# Altium PCB Copy of 211105 PCB.PcbDoc (part 1 of 3) (continued)
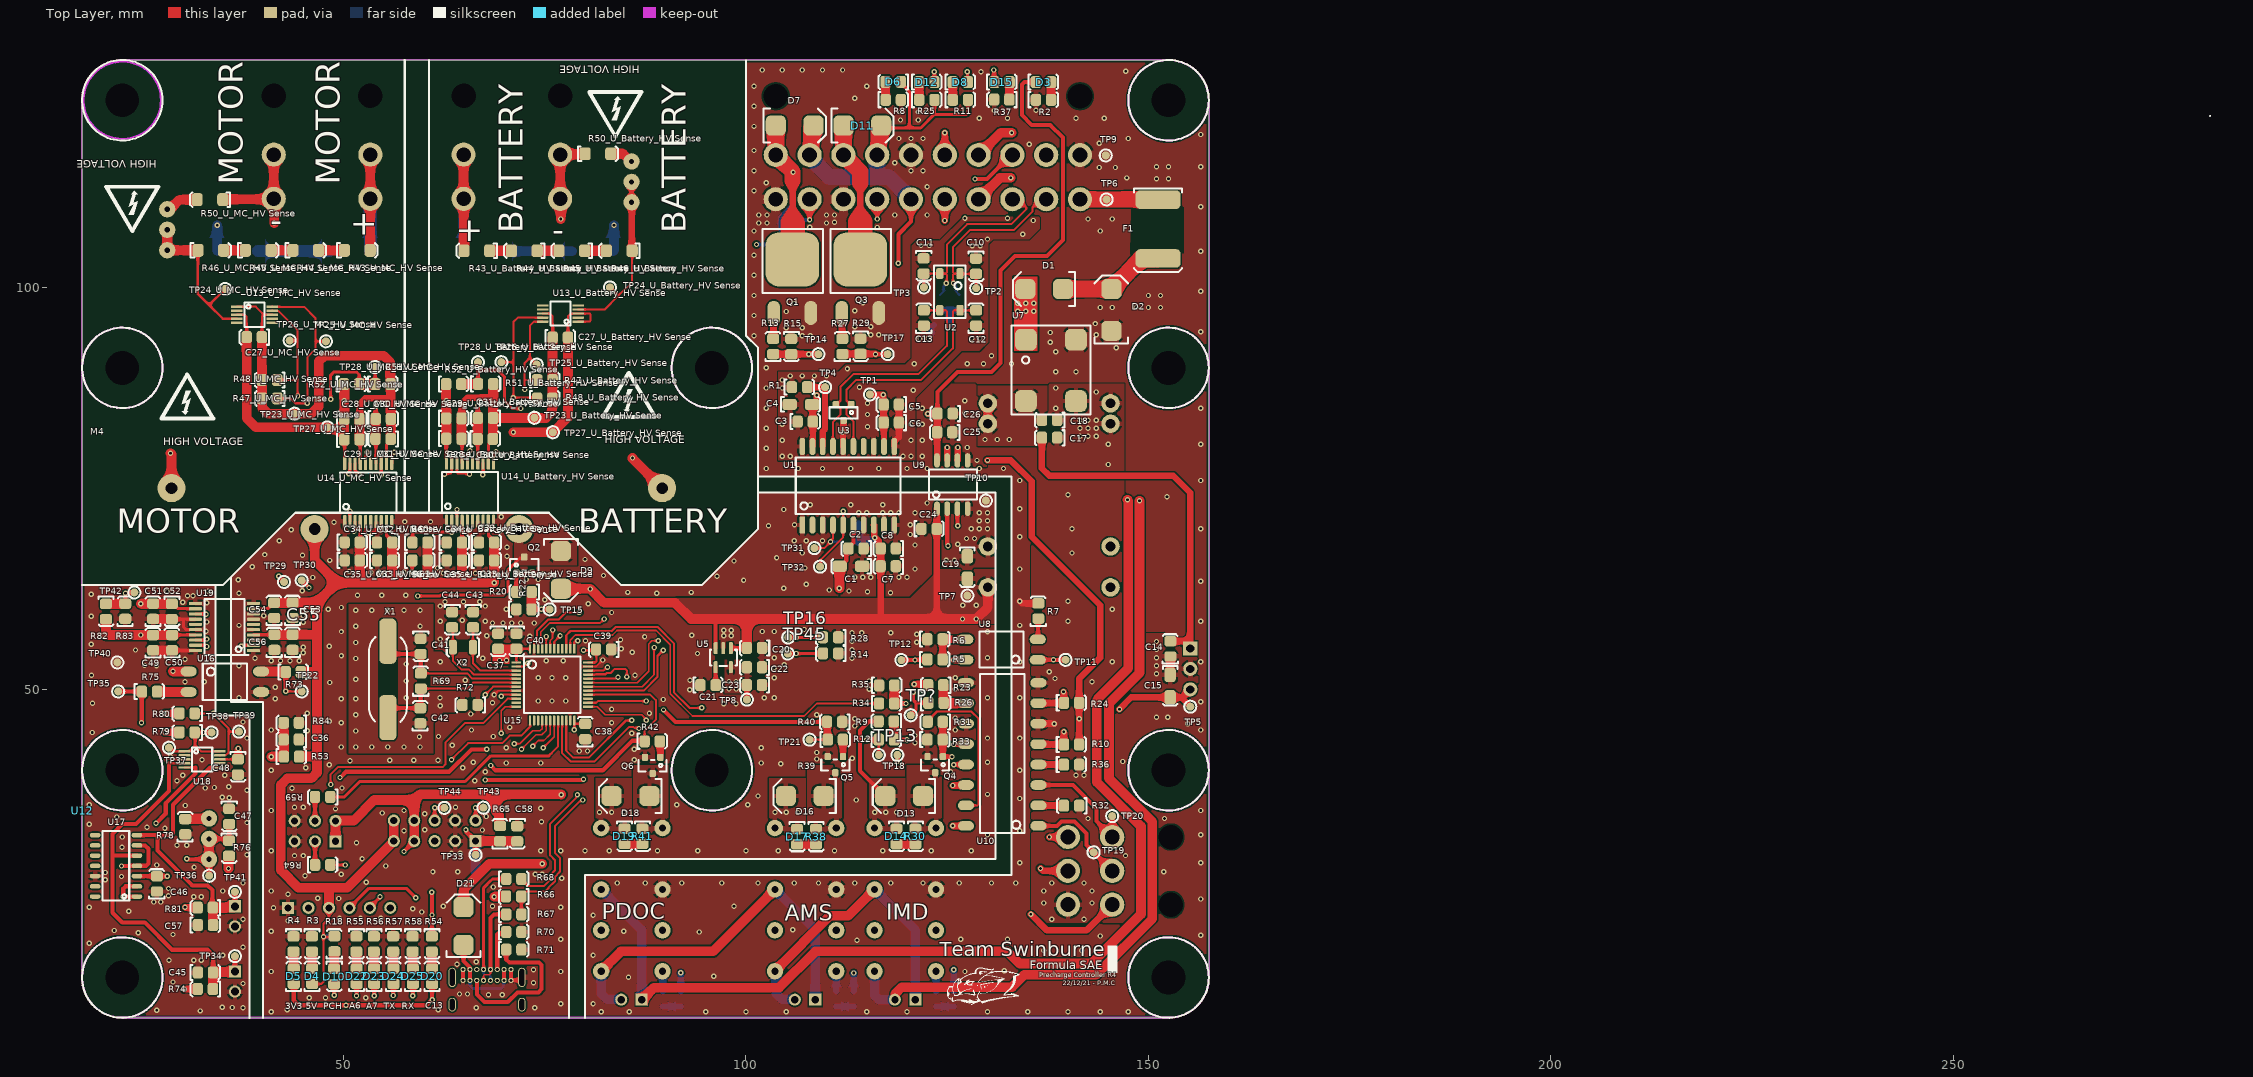
[diagram p0: Top Layer view]
## Components (designator, comment, footprint, x,y, rotation, side; value= is the part's Value field where it differs from the comment) (continued)
D22 "Yellow" "0805 LED" 51.597,14.412 r90 top
D23 "Orange" "0805 LED" 53.767,14.412 r90 top
D24 "Blue" "0805 LED" 56.173,14.424 r90 top
D25 "Blue" "0805 LED" 58.582,14.412 r90 top
D26 "Green" "0805 LED" 125.774,11.588 r270 bottom
D27 "Yellow" "0805 LED" 51.625,14.473 r90 bottom
D28 "Green" "0805 LED" 113.353,11.588 r270 bottom
D29 "Orange" "0805 LED" 53.805,14.473 r90 bottom
D30 "Green" "0805 LED" 91.85,11.588 r270 bottom
D31 "Blue" "0805 LED" 56.201,14.473 r90 bottom
D32 "Blue" "0805 LED" 58.601,14.473 r90 bottom
D33 "Red" "0805 LED" 61,14.473 r90 bottom
D34 "Orange" "0805 LED" 48.83,14.425 r270 bottom
F1 "0ZCF0100AF2A" 2920 151.2,110.9 r270 top
"HV BATTERY+1" "39300020" 39300020 64.907,116.5 r0 bottom locked
"HV BATTERY-1" "39300020" 39300020 76.907,116.5 r0 bottom locked
"HV MC+1" "39300020" 39300020 53.324,116.5 r0 bottom
"HV MC-1" "39300020" 39300020 41.324,116.5 r0 bottom locked
"IMD Bypass1" "2.54mm" "TH 2.54mm Header 1x2" 121.04,11.5 r180 bottom
K1 "V23105A5475A201" "TI 2-DIL" 119.79,23.926 r270 bottom
K2 "V23105A5475A201" "TI 2-DIL" 107.405,23.926 r270 bottom
K3 "V23105A5475A201" "TI 2-DIL" 85.812,23.926 r270 bottom
K4 "TS-1187A-C-D-B" "XKB SW-4.5" 64.55,24.4 r90 bottom
P1 "39300060" 39300060 145.5,23.3 r270 bottom
P2 "USB4085-GF-A" USB4085-GF-A 67.95,11.22 r180 bottom
"PDOC Bypass1" "2.54mm" "TH 2.54mm Header 1x2" 87.04,11.5 r180 bottom
"PDOC Sensor 1" "B2B-XH-A(LF)(SN)" "XH 2 PIN VERT" 36.627,13.75 r270 bottom
"PDOC Sensor 2" "B2B-XH-A(LF)(SN)" "XH 2 PIN VERT" 36.627,21.85 r270 bottom
"PRIMARY INTERFACE1" "39300200" 39300200 141.5,116.45 r0 bottom locked
Q1 "STD70N10F4" "STM TO-252 MOSFET" 108.05,96.825 r180 top
Q2 "2N7002K" "ON SOT-23 MOSFET" 72.45,65.5 r0 top
Q3 "STD70N10F4" "STM TO-252 MOSFET" 116.5,96.825 r180 top
Q4 "2N7002K" "ON SOT-23 MOSFET" 123.5,40.7 r180 top
Q5 "2N7002K" "ON SOT-23 MOSFET" 111.1,40.7 r180 top
Q6 "2N7002K" "ON SOT-23 MOSFET" 88.4,40.6 r180 top
R1 "0R" 0805 106.66,87.627 r0 top
R2 "2k" 0805 136.977,123.329 r0 top
R3 "2k" 0805 46.096,18.4 r270 top
R4 "1.5k" 0805 43.802,18.4 r270 top
R5 "680R" 0805 123.484,53.792 r0 top
R6 "20k" 0805 123.494,56.305 r0 top
R7 "1.5k" 0805 136.3,59.8 r90 top
R8 "1.5k" 0805 118.318,123.329 r0 top
R9 "20k" 0805 117.414,46.053 r180 top
R10 "1.5k" 0805 140.462,43.226 r0 top
R11 "1.5k" 0805 126.647,123.329 r0 top
R12 "680R" 0805 117.462,43.826 r0 top
R13 "10R" 0805 103.35,92.675 r90 top
R14 "20k" 0805 110.5,54.5 r180 top
R15 "20k" 0805 105.65,92.627 r270 top
R16 "1k" "B TO-263" 50.75,94.3 r0 bottom locked
R17 "1k" "B TO-263" 36.8,94.3 r0 bottom locked
R18 "1.5k" 0805 48.828,18.448 r90 top
R19 "1k" "B TO-263" 80.95,94.3 r0 bottom locked
R20 "10R" 0805 72.412,62.126 r180 top
R21 "1k" "B TO-263" 67.45,94.3 r0 bottom locked
R22 "20k" 0805 72.412,60.026 r0 top
R23 "20k" 0805 123.564,50.55 r180 top
R24 "1.5k" 0805 140.462,48.4 r0 top
R25 "1.5k" 0805 122.483,123.329 r0 top
R26 "680R" 0805 123.612,48.401 r0 top
R27 "10R" 0805 111.95,92.675 r90 top
R28 "20k" 0805 110.5,56.5 r180 top
R29 "20k" 0805 114.25,92.675 r270 top
R30 "680R" 0805 121.074,31.762 r270 top
R31 "680R" 0805 123.5,46 r180 top
R32 "1.5k" 0805 140.438,35.574 r180 top
R33 "20k" 0805 123.5,43.826 r0 top
R34 "680R" 0805 117.487,48.323 r0 top
R35 "20k" 0805 117.5,50.571 r0 top
R36 "1.5k" 0805 140.462,40.726 r0 top
R37 "1.5k" 0805 131.764,123.308 r180 top
R38 "680R" 0805 108.726,31.738 r270 top
R39 "10R" 0805 111.112,43.826 r0 top
R40 "20k" 0805 111,46 r180 top
R41 "680R" 0805 87.151,31.788 r270 top
R42 "10R" 0805 88.362,43.626 r0 top
"R43_U_Battery_HV Sense" "330K" "VB 0204" 66.553,104.55 r180 top locked (schematic designator R43)
"R43_U_MC_HV Sense" "330K" "VB 0204" 51.7,104.6 r0 top locked (schematic designator R43)
"R44_U_Battery_HV Sense" "330K" "VB 0204" 72.453,104.55 r180 top locked (schematic designator R44)
"R44_U_MC_HV Sense" "330K" "VB 0204" 45.3,104.6 r0 top locked (schematic designator R44)
"R45_U_Battery_HV Sense" "330K" "VB 0204" 78.353,104.55 r180 top locked (schematic designator R45)
"R45_U_MC_HV Sense" "330K" "VB 0204" 39.4,104.6 r0 top locked (schematic designator R45)
"R46_U_Battery_HV Sense" "330K" "VB 0204" 84.253,104.55 r180 top locked (schematic designator R46)
"R46_U_MC_HV Sense" "330K" "VB 0204" 33.5,104.6 r0 top locked (schematic designator R46)
"R47_U_Battery_HV Sense" "5.6k" 0805 75.024,88.497 r0 top (schematic designator R47)
"R47_U_MC_HV Sense" "5.6k" 0805 40.8,86.192 r180 top (schematic designator R47)
"R48_U_Battery_HV Sense" "5.6k" 0805 75.013,86.213 r0 top (schematic designator R48)
"R48_U_MC_HV Sense" "5.6k" 0805 40.788,88.476 r180 top (schematic designator R48)
"R49_U_Battery_HV Sense" "10K (Var)" "B 3296" 85.229,113.024 r270 bottom (schematic designator R49)
"R49_U_MC_HV Sense" "10K (Var)" "B 3296" 27.541,107.074 r270 bottom (schematic designator R49)
"R50_U_Battery_HV Sense" "10K" "VB 0204" 81.6,116.6 r0 top (schematic designator R50)
"R50_U_MC_HV Sense" "10K" "VB 0204" 33.4,110.9 r180 top (schematic designator R50)
"R51_U_Battery_HV Sense" "30k" 0805 67.662,88.026 r0 top (schematic designator R51)
"R51_U_MC_HV Sense" "30k" 0805 54.9,88 r0 top (schematic designator R51)
"R52_U_Battery_HV Sense" "10k" 0805 63.7,88 r0 top (schematic designator R52)
"R52_U_MC_HV Sense" "10k" 0805 51,88 r0 top (schematic designator R52)
R53 "10k" 0805 43.536,41.724 r0 top
R54 "510R" 0805 60.995,18.4 r270 top
R55 "680R" 0805 51.618,18.4 r270 top
R56 "680R" 0805 53.788,18.4 r270 top
R57 "680R" 0805 56.194,18.412 r270 top
R58 "680R" 0805 58.603,18.4 r270 top
R59 "10k" 0805 47.388,36.663 r180 top
R60 "3.3k" 0805 59.5,68.326 r0 top
R61 "3.3k" 0805 59.5,66.101 r0 top
R62 "3.3k" 0805 113.05,68.329 r0 bottom
R63 "3.3k" 0805 113.05,70.5 r0 bottom
R64 "10k" 0805 47.413,28.275 r0 top
R65 "10k" 0805 69.42,32.148 r90 top
R66 "1.5k" 0805 71.117,24.299 r180 top
R67 "20R" 0805 71.166,22.126 r0 top
R68 "20R" 0805 71.166,26.515 r0 top
R69 "10M" 0805 59.574,51.112 r90 top
R70 "5.1k" 0805 71.166,19.931 r0 top
R71 "5.1k" 0805 71.166,17.736 r0 top
R72 "0R" 0805 65.7,48.1 r180 top
R73 "3k" 0805 43.762,52.226 r0 top
R74 "2k" 0805 32.8,12.8 r180 top
R75 "680R" 0805 25.9,49.8 r0 top
R76 "10k" 0805 35.789,30.296 r270 top
R77 "10K (Var)" "B 3296" 33.84,31.565 r90 bottom
R78 "10k" 0805 30.3,33 r90 top
R79 "5.6k" 0805 30.538,44.679 r180 top
R80 "5.6k" 0805 30.538,47.044 r180 top
R81 "2k" 0805 32.8,22.9 r180 top
R82 "30k" 0805 20.5,59.714 r270 top
R83 "10k" 0805 22.844,59.762 r90 top
R84 "10K (NTC) (B25/85 3430K)" 0805 43.488,45.874 r180 top
R85 "0R" 0805 104.199,106.238 r270 bottom
R86 "0R" 0805 106.399,106.238 r270 bottom
R87 "680R" 0805 123.6,11.588 r270 bottom
R88 "510R" 0805 60.979,18.398 r270 bottom
R89 "680R" 0805 111.199,11.588 r270 bottom
R90 "680R" 0805 51.604,18.398 r270 bottom
R91 "680R" 0805 89.649,11.588 r270 bottom
R92 "680R" 0805 53.784,18.398 r270 bottom
R93 "680R" 0805 56.18,18.423 r270 bottom
R94 "680R" 0805 58.58,18.398 r270 bottom
R95 "1.5k" 0805 48.851,18.446 r90 bottom
SERIAL1 "2.54mm" "TH 2.54mm Header 1x6" 43.1,22.9 r0 bottom
STLINK1 "2.54mm" "TH 2.54mm Header 2x5" 66.4,31.21 r180 bottom
TP1 "5V (CAN)" "SMD Test Point 1mm" 115.4,86.7 r0 top
TP2 "CANL" "SMD Test Point 1mm" 128.6,99.9 r90 top
TP3 "CANH" "SMD Test Point 1mm" 122.1,100 r90 top
TP4 "RS" "SMD Test Point 1mm" 109.825,87.6 r90 top
TP5 "5V" "SMD Test Point 1mm" 155.2,47.9 r90 top
TP6 "GLV+" "SMD Test Point 1mm" 144.8,110.925 r90 top
TP7 "5V (ISO)" "SMD Test Point 1mm" 127.5,61.7 r90 top
TP8 "3.3V (ISO)" "SMD Test Point 1mm" 100.115,48.775 r90 top
TP9 "GLV-" "SMD Test Point 1mm" 144.7,116.4 r90 top
TP10 "0V (ISO)" "SMD Test Point 1mm" 129.8,73.5 r90 top
TP11 "AIR Power" "SMD Test Point 1mm" 139.7,53.725 r90 top
TP12 "AIR Power (ISO)" "SMD Test Point 1mm" 119.3,53.7 r90 top
TP13 "AIR- Feedback (ISO)" "SMD Test Point 1mm" 116.5,41.9 r90 top
TP14 "AIR- Gate" "SMD Test Point 1mm" 109,91.7 r90 top
TP15 "Precharge Gate" "SMD Test Point 1mm" 75.6,60 r90 top
TP16 "AIR+" "SMD Test Point 1mm" 105.25,56.5 r90 top
TP17 "AIR+ Gate" "SMD Test Point 1mm" 117.6,91.7 r90 top
TP18 "IMD OK (ISO)" "SMD Test Point 1mm" 118.8,41.9 r90 top
TP19 "IMD Ok" "SMD Test Point 1mm" 143.188,29.812 r90 top
TP20 "IMD Data" "SMD Test Point 1mm" 145.5,34.3 r90 top
TP21 "AMS OK (ISO)" "SMD Test Point 1mm" 107.9,43.8 r90 top
TP22 "PDOC OK (ISO)" "SMD Test Point 1mm" 44.8,49.8 r90 top
"TP23_U_Battery_HV Sense" "VDD" "SMD Test Point 1mm" 73.7,83.8 r90 top (schematic designator TP23)
"TP23_U_MC_HV Sense" "VDD" "SMD Test Point 1mm" 43.9,84.3 r0 top (schematic designator TP23)
"TP24_U_Battery_HV Sense" "Measure" "SMD Test Point 1mm" 83.1,100 r90 top (schematic designator TP24)
"TP24_U_MC_HV Sense" "Measure" "SMD Test Point 1mm" 35.3,99.8 r0 top (schematic designator TP24)
"TP25_U_Battery_HV Sense" "SCL" "SMD Test Point 1mm" 74,90.4 r90 top (schematic designator TP25)
"TP25_U_MC_HV Sense" "SCL" "SMD Test Point 1mm" 47.8,93.3 r0 top (schematic designator TP25)
"TP26_U_Battery_HV Sense" "SDA" "SMD Test Point 1mm" 69.6,90.7 r90 top (schematic designator TP26)
"TP26_U_MC_HV Sense" "SDA" "SMD Test Point 1mm" 43.3,93.4 r0 top (schematic designator TP26)
"TP27_U_Battery_HV Sense" "GND" "SMD Test Point 1mm" 76,82 r90 top (schematic designator TP27)
"TP27_U_MC_HV Sense" "GND" "SMD Test Point 1mm" 48,82.6 r0 top (schematic designator TP27)
"TP28_U_Battery_HV Sense" "VSEL" "SMD Test Point 1mm" 66.7,90.7 r90 top (schematic designator TP28)
"TP28_U_MC_HV Sense" "VSEL" "SMD Test Point 1mm" 53.9,90.1 r0 top (schematic designator TP28)
TP29 "SCL" "SMD Test Point 1mm" 42.6,63.4 r90 top
TP30 "SDA" "SMD Test Point 1mm" 44.8,63.6 r90 top
TP31 "CAN1 RD" "SMD Test Point 1mm" 108.5,67.6 r90 top
TP32 "CAN1 TD" "SMD Test Point 1mm" 109.2,65.3 r90 top
TP33 "nRST" "SMD Test Point 1mm" 66.4,29.5 r90 top
TP34 "PDOC Temperature Amp Measure 1" "SMD Test Point 1mm" 36.5,16.9 r90 top
TP35 "PDOC OK" "SMD Test Point 1mm" 22,49.8 r90 top
TP36 "PDOC Temperature Ref" "SMD Test Point 1mm" 33.3,26.9 r90 top
TP37 "ADDR" "SMD Test Point 1mm" 28.3,42.8 r180 top
TP38 "SCL" "SMD Test Point 1mm" 33.6,44.7 r180 top
TP39 "SDA" "SMD Test Point 1mm" 37,44.8 r90 top
TP40 "GND" "SMD Test Point 1mm" 21.9,53.4 r90 top
TP41 "PDOC Temperature Amp Measure 2" "SMD Test Point 1mm" 36.5,24.9 r90 top
TP42 "VSEL" "SMD Test Point 1mm" 24,62.1 r90 top
TP43 "0mm" "SMD Test Point 1mm" 67.375,35.35 r90 top
TP44 "0mm" "SMD Test Point 1mm" 62.518,35.332 r90 top
TP45 "AIR-" "SMD Test Point 1mm" 105.2,54.5 r90 top
TP? "AIR+ Feedback (ISO)" "SMD Test Point 1mm" 120.468,46.837 r90 top
U1 "ADM3053" "AD SOIC-W 20" 112.709,75.352 r0 top
U2 "B82787C0104H002" "TDK 4-PC Pad" 126.576,101.709 r270 top value="100µH @ 100kHz"
U3 "NUP2105L" "ON SOT-23" 112.122,84.453 r180 top
U4 "R-78C5.0-1.0" "RECOM 3-SIP" 155.2,55.14 r270 bottom
U5 "RT9193-33GB" "RICHTEK SOT-23-5" 97.128,54.174 r180 top
U6 "JTC0424S05" "24-DIP Module, 7 Leads" 137.67,74.16 r270 bottom locked
U7 "744272121" "Wurth 4-PC Pad" 141,85.88 r90 top value="120uH @ 100kHz"
U8 "LTV-817S-TA1" "ON 4-SMD" 131.5,55 r180 top
U9 "ADUM3221ARZ" "AD 8-SOIC" 125.635,75.5 r0 top
U10 "LTV-847S-TA1" "ON 16-SMD" 131.58,41.983 r90 top
U11 "3350-1275-056" "CI SPST" 59.1,69.975 r180 bottom locked
U12 "BENDER IMD IR155" "BENDER IMD IR155" 17.5,35 r0 top locked
"U13_U_Battery_HV Sense" "ADS1115" "TI 10-VSSOP" 76.938,96.75 r180 top (schematic designator U13)
"U13_U_MC_HV Sense" "ADS1115" "TI 10-VSSOP" 38.938,96.6 r0 top (schematic designator U13)
"U14_U_Battery_HV Sense" "ADM3260" "AD 20-SSOP" 65.708,74.556 r0 top (schematic designator U14)
"U14_U_MC_HV Sense" "ADM3260" "AD 20-SSOP" 53.057,74.5 r0 top (schematic designator U14)
U15 "STM32F103C8T6" "STM 48-LQFP" 75.916,50.641 r270 top
U16 "LTV-817S-TA1" "ON 4-SMD" 35.5,51 r0 top
U17 "LMV339IDR" "TI 14-SOIC" 26.925,43.365 r90 top
U18 "ADS1115" "TI 10-VSSOP" 32.432,41.35 r0 top
U19 "ADM3260" "AD 20-SSOP" 35.2,57.8 r90 top
X1 "16MHz" "Abracon HC-49/US" 55.505,51.283 r90 top
X2 "32.768kHz" "EPSON 2-SMD" 64.819,55.288 r0 top

## Footprints (in the part's own frame and the unit in brackets; to place one, negate y for a bottom-side part, rotate by r counter-clockwise, add the part's x,y. Pads: shape width x height; smd on the part's side, far side on the other; paste and mask are expansions set on the pad)
"24-DIP Module, 7 Leads" [mm]
  round 2.3 hole 1.2: 2(-11.43,-7.62) 3(-8.89,-7.62) 9(6.35,-7.62) 11(11.43,-7.62) 14(11.43,7.62) 16(6.35,7.62) 22(-8.89,7.62) 23(-11.43,7.62)
  silkscreen extent -15.88,-10.16 15.88,10.16, body extent -15.88,-10.16 15.87,10.16, height 10.41
0805 [mm]
  rrect50% 1.3x1.5 smd: 1(-0.962,-0.026) 2(0.938,-0.026)
  silkscreen extent -1.85,-0.95 1.8,0.93, body extent -1,-0.65 1,0.66, height 0.73
"0805 LED" [mm]
  rrect50% 1.3x1.5 smd: A(-0.962,-0.026) K(0.938,-0.026)
  silkscreen extent -1.85,-0.95 1.8,0.93, body extent -1.1,-0.62 0.9,0.62, height 1
1206 [mm]
  rrect50% 1.8x1.4 smd: 1(-2.6,0) 2(0.2,0)
  silkscreen extent -3.7,-0.9 1.2,0.9, body extent -2.9,-0.9 0.5,0.9, height 1.85
2920 [mm]
  rrect50% 2.3x5.6 smd: 1(0,0) 2(7.3,0)
  silkscreen extent -1.4,-3 9,3, body extent -0.34,-2.81 7.64,2.81, height 1.14
39300020 [mm]
  round 3 hole 1.8: 1(0,0) 2(0,5.5)
  round 1.524 hole 3.05: ""(0,-7.3)
  body extent -2.7,-13.97 3.1,5.97, height 11.4
39300060 [mm]
  round 3 hole 1.85: 1(0,0) 2(0,5.5) 3(-4.2,0) 4(-4.2,5.5) 5(-8.4,0) 6(-8.4,5.5)
  round 1.524 hole 3.05: ""(-8.4,-7.3) ""(0,-7.3)
  body extent -11.1,-13.87 3.1,6.07, height 11.4
39300200 [mm]
  round 3 hole 1.85: 1(0,0) 2(0,5.5) 3(-4.2,0) 4(-4.2,5.5) 5(-8.4,0) 6(-8.4,5.5) 7(-12.6,0) 8(-12.6,5.5) 9(-16.8,0) 10(-16.8,5.5) 11(-21,0) 12(-21,5.5) 13(-25.2,0) 14(-25.2,5.5) 15(-29.4,0) 16(-29.4,5.5) 17(-33.6,0) 18(-33.6,5.5) 19(-37.8,0) 20(-37.8,5.5)
  round 1.524 hole 3.05: ""(-37.8,-7.3) ""(0,-7.3)
  body extent -40.5,-13.9 3.1,6.03, height 11.4
"Abracon HC-49/US" [mm]
  rrect50% 5.6x2.1 smd: 1(-4.75,0) 2(4.75,0)
  silkscreen extent -5.27,-2.35 5.25,2.35, body extent -6.35,-2.35 6.35,2.35, height 4.06
"AD 8-SOIC" [mm]
  oval 0.7x1.8 smd: 1(-1.905,-3) 2(-0.635,-3) 3(0.635,-3) 4(1.905,-3) 5(1.905,3) 6(0.635,3) 7(-0.635,3) 8(-1.905,3)
  silkscreen extent -2.87,-1.88 3.05,1.85, body extent -2.5,-3.1 2.5,3.1, height 1.76
"AD 20-SSOP" [mm]
  rrect50% 0.4x1.6 smd: 1(-2.925,-3.6) 2(-2.275,-3.6) 3(-1.625,-3.6) 4(-0.975,-3.6) 5(-0.325,-3.6) 6(0.325,-3.6) 7(0.975,-3.6) 8(1.625,-3.6) 9(2.275,-3.6) 10(2.925,-3.6) 11(2.925,3.6) 12(2.275,3.6) 13(1.625,3.6) 14(0.975,3.6) 15(0.325,3.6) 16(-0.325,3.6) 17(-0.975,3.6) 18(-1.625,3.6) 19(-2.275,3.6) 20(-2.925,3.6)
  silkscreen extent -3.5,-2.5 3.5,2.5, body extent -3.64,-3.9 3.56,3.9, height 1.2
"AD SOIC-W 20" [mil]
  rrect50% 28x85 smd: 1(-225,-192.02)
  oval 28x85 smd: 2(-175,-192.02) 3(-125,-192.02) 4(-75,-192.02) 5(-25,-192.02) 6(25,-192.02) 7(75,-192.02) 8(125,-192.02) 9(175,-192.02) 10(225,-192.02) 11(225,192.02) 12(175,191.98) 13(125,191.98) 14(75,191.98) 15(25,191.98) 16(-25,191.98) 17(-75,191.98) 18(-125,191.98) 19(-175,191.98) 20(-225,191.98)
  silkscreen extent -257,-138 256,138, body extent -260,-210 260,210, height 105
"B 3296" [mil]
  round 80 hole 25.2: 1(-103.39,-22) 2(-3.39,-22) 3(96.61,-22)
  silkscreen extent -193,-97 187,143, body extent -191,-97 184,143, height 455
"B TO-263" [mm]
  rrect50% 2x3.8 smd: 1(-2.55,-10.2) 2(2.55,-10.2)
  rrect50% 12.7x11.4 smd: ""(0,0)
  silkscreen extent -6.8,-10.56 6.75,6.1, body extent -5.19,-11.02 5.45,4.83, height 4.8
"BENDER IMD IR155" [mm]
  body extent 0,0 141.1,60
"CI SPST" [mm]
  round 3.5 hole 1.45: 1(30.48,5.08) 2(12.7,0) 3(-12.7,0) 4(-30.48,5.08)
  silkscreen extent -38.73,-8.26 38.73,13.97, body extent -38.1,-4.45 38.1,13.34, height 20.57
"EPSON 2-SMD" [mm]
  rrect50% 1x1.8 smd: 1(-1.25,0) 2(1.25,0)
  silkscreen extent -2,-1.2 2,1.2, body extent -1.5,-1 1.5,1, height 1
"ON 4-SMD" [mm] "SOP, 4-Leads, Body 3.85x4.4mm, Pitch 2.54mm, IPC Medium Density"
  oval 2x1.2 smd: 1(-4.75,1.27) 2(-4.75,-1.27) 3(4.25,-1.27) 4(4.25,1.27)
  silkscreen extent -3,-2.25 2.5,2.25, body extent -5.33,-2.3 4.83,2.3, height 4.6
"ON 16-SMD" [mm]
  oval 1.2x2 smd: 1(-8.89,-4.75) 2(-6.35,-4.75) 3(-3.81,-4.75) 4(-1.27,-4.75) 5(1.27,-4.75) 6(3.81,-4.75) 7(6.35,-4.75) 8(8.89,-4.75) 9(8.89,4.25) 10(6.35,4.25) 11(3.81,4.25) 12(1.27,4.25) 13(-1.27,4.25) 14(-3.81,4.25) 15(-6.35,4.25) 16(-8.89,4.25)
  silkscreen extent -9.75,-3 10,2.5, body extent -10,-5.33 9.84,4.83, height 4.6
"ON SOT-23" [mm] "NUP2105L"
  rrect50% 0.8x0.9 smd: 1(-0.95,-1) 2(0.95,-1) 3(0,1)
  silkscreen extent -1.75,-0.65 1.75,0.75, body extent -1.5,-1.27 1.5,1.28, height 1
"ON SOT-23 MOSFET" [mm] "NUP2105L"
  rrect50% 0.8x0.9 smd: D(0,1) G(-0.95,-1) S(0.95,-1)
  silkscreen extent -1.75,-0.66 1.75,0.75, body extent -1.5,-1.27 1.5,1.28, height 1
"RECOM 3-SIP" [mm] "12 to 42 Vdc In, 9 Vdc Out"
  rect 1.75x1.75 hole 1: 1(0,0)
  round 1.75 hole 1: 2(2.54,0) 3(5.08,0)
  silkscreen extent -3.5,-2 8.5,6.5, body extent -3.26,-2.02 8.34,6.48, height 11.41
"RICHTEK SOT-23-5" [mil]
  rrect50% 19x58 smd: 1(-39.37,-39.37) 2(-1.97,-39.37) 3(35.43,-39.37) 4(35.43,53.63) 5(-39.37,53.63)
  silkscreen extent -69,-31 64,47, body extent -62,-51 58,67, height 57
"SMB Diode" [mm]
  rrect50% 2.5x2.5 smd: A(-0.25,0) K(4.45,0)
  silkscreen extent -1.75,-2.1 6,2.1, body extent -0.69,-1.97 4.9,1.97, height 2.5
"SMD Test Point 1mm" [mm]
  round 1 smd: 1(0,0)
  silkscreen extent -0.75,-0.75 0.75,0.75
"ST SMB Diode" [mm]
  rrect50% 2.5x2.5 smd: A(2.6,0) K(-2.6,0)
  silkscreen extent -4.28,-2.12 4.17,2.08, body extent -2.88,-1.99 2.71,1.95, height 2.5
"STM 48-LQFP" [mm]
  rrect50% 0.3x1.2 smd mask+0.05: 1(-2.75,-4.45) 2(-2.25,-4.45) 3(-1.75,-4.45) 4(-1.25,-4.45) 5(-0.75,-4.45) 6(-0.25,-4.45) 7(0.25,-4.45) 8(0.75,-4.45) 9(1.25,-4.45) 10(1.75,-4.45) 11(2.25,-4.45) 12(2.75,-4.45) 25(2.75,4.45) 26(2.25,4.45) 27(1.75,4.45) 28(1.25,4.45) 29(0.75,4.45) 30(0.25,4.45) 31(-0.25,4.45) 32(-0.75,4.45) 33(-1.25,4.45) 34(-1.75,4.45) 35(-2.25,4.45) 36(-2.75,4.45)
  rrect50% 1.2x0.3 smd mask+0.05: 13(4.45,-2.75) 14(4.45,-2.25) 15(4.45,-1.75) 16(4.45,-1.25) 17(4.45,-0.75) 18(4.45,-0.25) 19(4.45,0.25) 20(4.45,0.75) 21(4.45,1.25) 22(4.45,1.75) 23(4.45,2.25) 24(4.45,2.75) 37(-4.45,2.75) 38(-4.45,2.25) 39(-4.45,1.75) 40(-4.45,1.25) 41(-4.45,0.75) 42(-4.45,0.25) 43(-4.45,-0.25) 44(-4.45,-0.75) 45(-4.45,-1.25) 46(-4.45,-1.75) 47(-4.45,-2.25) 48(-4.45,-2.75)
  silkscreen extent -3.5,-3.5 3.5,3.5, body extent -4.6,-4.6 4.6,4.6, height 1.6
"STM TO-252 MOSFET" [mm]
  rrect50% 6.7x6.7 smd: D(2.3,-6.65)
  oval 1.6x3 smd: G(4.6,0) S(0,0)
  silkscreen extent -1.5,-10.4 6,-2.5, body extent -1.08,-9.67 5.64,0.75, height 2.39
"TDK 4-PC Pad" [mm]
  rrect50% 1.35x0.9 smd: 1(0,0) 2(0,-2.5) 3(4.55,-2.5) 4(4.55,0)
  silkscreen extent -1,-3.2 5.5,0.7, body extent -0.02,-2.82 4.48,0.38, height 2.8
"TH 2.54mm Header 1x2" [mm]
  rect 1.5x1.5 hole 0.9: 1(0,0)
  round 1.5 hole 0.9: 2(2.54,0)
  silkscreen extent -1.27,-1.27 3.81,1.27, body extent -1.27,-1.27 3.81,1.27, height 9.5
"TH 2.54mm Header 1x6" [mm]
  rect 1.5x1.5 hole 0.9: 1(0,0)
  round 1.5 hole 0.9: 2(2.54,0) 3(5.08,0) 4(7.62,0) 5(10.16,0) 6(12.7,0)
  silkscreen extent -1.27,-1.27 13.97,1.27, body extent -1.27,-1.27 13.97,1.27, height 9.5
"TH 2.54mm Header 2x3" [mm]
  rect 1.5x1.5 hole 0.9: 1(0,0)
  round 1.5 hole 0.9: 2(0,2.54) 3(2.54,0) 4(2.54,2.54) 5(5.08,0) 6(5.08,2.54)
  silkscreen extent -1.27,-1.27 6.35,3.81, body extent -1.27,-1.27 6.35,3.81, height 9.5
"TH 2.54mm Header 2x5" [mm]
  rect 1.5x1.5 hole 0.9: 1(0,0)
  round 1.5 hole 0.9: 2(0,2.54) 3(2.54,0) 4(2.54,2.54) 5(5.08,0) 6(5.08,2.54) 7(7.62,0) 8(7.62,2.54) 9(10.16,0) 10(10.16,2.54)
  silkscreen extent -1.27,-1.27 11.43,3.81, body extent -1.27,-1.27 11.43,3.81, height 9.5
"TI 2-DIL" [mil]
  round 80 hole 35.43: 1(-350,-150) 4(-50,-150) 6(150,-150) 8(350,-150) 9(350,150) 11(150,150) 13(-50,150) 16(-350,150)
  silkscreen extent -400,-200 400,200, body extent -398,-197 398,197, height 450
"TI 10-VSSOP" [mm]
  rrect50% 1.45x0.3 smd mask+0.05: 1(-2.2,1) 2(-2.2,0.5) 3(-2.2,0) 4(-2.2,-0.5) 5(-2.2,-1) 6(2.2,-1) 7(2.2,-0.5) 8(2.2,0) 9(2.2,0.5) 10(2.2,1)
  silkscreen extent -1.25,-1.5 1.25,1.5, body extent -2.45,-1.5 2.45,1.5, height 1.12
"TI 14-SOIC" [mil]
  oval 22x52 smd: 1(-750,102.36) 2(-700,102.36) 3(-650,102.36) 4(-600,102.36) 5(-550,102.36) 6(-500,102.36) 7(-450,102.36) 8(-450,307.09) 9(-500,307.09) 10(-550,307.09) 11(-600,307.09) 12(-650,307.09) 13(-700,307.09) 14(-750,307.09)
  silkscreen extent -770,140 -430,270, body extent -770,86 -430,323, height 69
USB4085-GF-A [mm]
  round 0.65 hole 0.4: A1(-2.848,4.025) A4(-1.998,4.025) A5(-1.148,4.025) A6(-0.298,4.025) A7(0.552,4.025) A8(1.402,4.025) A9(2.252,4.025) A12(3.102,4.025) B1(3.102,2.675) B4(2.252,2.675) B5(1.402,2.675) B6(0.552,2.675) B7(-0.298,2.675) B8(-1.148,2.675) B9(-1.998,2.675) B12(-2.848,2.675)
  oval 0.9x2.4 hole 0.6 slot 2.1 at 90 deg: P1(-4.198,3.045) P2(4.452,3.045)
  oval 0.9x1.7 hole 0.6 slot 1.4 at 90 deg: P3(4.452,-0.335) P4(-4.198,-0.335)
  silkscreen extent -4.35,-2.07 4.6,4.58, body extent -4.39,-4.56 4.64,4.61, height 3.46
"VB 0204" [mm]
  rrect50% 1.4x1.6 smd: 1(-1.6,0) 2(1.6,0)
  silkscreen extent -2.5,-0.9 2.5,0.9, body extent -1.8,-0.7 1.8,0.7, height 1.4
"Vishay Radial 1213" [mm]
  rrect50% 4.2x5 smd: 0(0,-4.9) 0(0,4.9)
  rrect50% 6.3x2.5 smd: 1(-5.15,0) 2(5.15,0)
  silkscreen extent -6.75,-6.75 7.5,7.5, body extent -7.45,-6.45 7.45,6.45, height 14.31
"Wurth 4-PC Pad" [mm]
  rrect50% 2.7x2.7 smd: 1(7.62,6.22) 2(0,6.22) 3(0,0) 4(7.62,0)
  silkscreen extent -1.7,-1.8 9.4,8, body extent -1.19,-1.24 8.81,7.46, height 6.2
"XH 2 PIN VERT" [mm]
  round 1.508 hole 1: 1(1.25,0.127)
  rect 1.508x1.508 hole 1: 2(-1.25,0.127)
  silkscreen extent -3.7,-3.3 3.7,3.71, body extent -3.61,-3.24 3.61,2.6, height 7.21
"XKB SW-4.5" [mm]
  rrect50% 1x0.75 smd: 1(-3,-1.9) 2(3,-1.9) 3(-3,1.85) 4(3,1.85)
  silkscreen extent -2.55,-2.55 2.55,2.55, body extent -3,-2.55 3,2.55, height 1.35

## Part data
"AMS Bypass1" "IMD Bypass1" "PDOC Bypass1": library part "TH 2.54mm Header 1x2", Angle=0, Contact=NA, Flange=No, Part Number="TH 2.54mm Header 1x2", Pitch=2.54mm, Positions=2, Row Spacing=2.54mm
BOOT1: library part "TH 2.54mm Header 2x3", Angle=0, Contact=NA, Flange=No, Part Number="TH 2.54mm Header 2x3", Pitch=2.54mm, Positions=6, Row Spacing=2.54mm
C1 C4: library part GCM3195C2A103JA16D, Digikey Part Number=490-4978-2-ND, Manufacturer=muRata, Rated Voltage=100V, Tolerance=5%, Material=Ceramic, Part Number=GCM3195C2A103JA16D
C2 C3 C6 C8 C22 C24 C25 "C27_U_Battery_HV Sense" "C27_U_MC_HV Sense" "C29_U_Battery_HV Sense" "C29_U_MC_HV Sense" "C31_U_Battery_HV Sense" "C31_U_MC_HV Sense" "C32_U_Battery_HV Sense" "C32_U_MC_HV Sense" "C34_U_Battery_HV Sense" "C34_U_MC_HV Sense" C38 C39 C40 C45 C46 C47 C48 C50 C52 C53 C55 C57: library part GCM21BR71H104KA37L, Digikey Part Number=490-6064-1-ND, Manufacturer=muRata, Rated Voltage=50V, Tolerance=±10%, Material=X7R, Part Number=GCM21BR71H104KA37L
C5 C7 C14 C17 C18 C26 "C30_U_Battery_HV Sense" "C30_U_MC_HV Sense" "C33_U_Battery_HV Sense" "C33_U_MC_HV Sense" C51 C54: library part GRM21BR6YA106KE43L, Digikey Part Number=490-10514-6-ND, Manufacturer=muRata, Rated Voltage=50V, Tolerance=10%, Material=X5R, Part Number=GRM21BR6YA106KE43L
C9 C21 C41 C42 C43 C44: library part GRM21A5C2E220JW01D, Digikey Part Number=490-5534-1-ND, Manufacturer=muRata, Rated Voltage=250V, Tolerance=±5%, Material="C0G, NP0", Part Number=GRM21A5C2E220JW01D
C10 C11 C12 C13: library part GCM2165C1H101JA16D, Digikey Part Number=490-8031-1-ND, Manufacturer=muRata, Rated Voltage=50V, Tolerance=±5%, Material="C0G, NP0", Part Number=GCM2165C1H101JA16D
C15 C19: library part CC1206MKX5R7BB226, Digikey Part Number=311-1997-2-ND, Manufacturer=YAGEO, Rated Voltage=16V, Tolerance=20%, Material=Ceramic, Part Number=CC1206MKX5R7BB226
C16: library part MAL214699106E3, Digikey Part Number=4440PHCT-ND, Manufacturer=Vishay, Rated Voltage=50V, Tolerance=20%, Material="Aluminium Electrolytic", Part Number=MAL214699106E3
C20 C23: library part AC0805KKX7R8BB105, Digikey Part Number="DO NOT USE FOR NEW DESIGNS", Manufacturer=YAGEO, Rated Voltage=25V, Tolerance=10%, Material=X7R, Part Number=AC0805KKX7R8BB105
"C28_U_Battery_HV Sense" "C28_U_MC_HV Sense" "C35_U_Battery_HV Sense" "C35_U_MC_HV Sense" C49 C56: library part GCM2195C1H103JA16D, Digikey Part Number=490-4783-1-ND, Manufacturer=muRata, Rated Voltage=50V, Tolerance=±5%, Material="C0G, NP0", Part Number=GCM2195C1H103JA16D
C36: library part GCM21BR71E104KA37L, Digikey Part Number="DO NOT USE FOR NEW DESIGNS", Manufacturer=muRata, Rated Voltage=25V, Tolerance=10%, Material=X7R, Part Number=GCM21BR71E104KA37L
C37: library part GCM21BR71H105KA03L, Digikey Part Number=490-10675-1-ND, Manufacturer=muRata, Rated Voltage=50V, Tolerance=±10%, Material=X7R, Part Number=GCM21BR71H105KA03L
C58: library part GCM21BR71H102KA37L, Digikey Part Number="DO NOT USE FOR NEW DESIGNS", Manufacturer=muRata, Rated Voltage=50V, Tolerance=10%, Material=X7R, Part Number=GCM21BR71H102KA37L
"CAN TERM R1" "CAN TERM R2": library part RC0805FR0756RL, Digikey Part Number=311-56.0CRCT-ND, Manufacturer=YAGEO, Rated Voltage=0.125W, Tolerance=0.01, Material=FR-07, Part Number=RC0805FR0756RL
D1 D7 D9 D11 D13 D16 D18 D21: "1.2V_F 600V 5A SMB", Digikey Part Number=1655-1530-2-ND, Manufacturer="SMC Diode Solutions", Digikey Link=https://www.digikey.com/product-detail/en/smc-diode-solutions/SD560BTR/1655-1530-2-ND/6022620, Part Number=SD560BTR
D2: "42.8V Clamp 93A (8/20µs) Ipp Tvs Diode Surface Mount SMB (DO-214AA)", Manufacturer=ST, Alternative Parts=https://www.digikey.com/en/products/detail/stmicroelectronics/SM6T39AY/2442901, Digikey Link=https://www.digikey.com/en/products/detail/stmicroelectronics/SM6T39CAY/2442903, Digikey Part Number=SM6T39CAY, Part Number=SM6T39CAY, Vbr=42.8V, Vf=42.8
D3 D4 D5 D20 D33: library part SML-210LTT86, "Red LED Indication - Discrete 1.75V 0805 (2012 Metric)", Digikey Part Number=511-1286-1-ND, Manufacturer="ROHM Semiconductor", Colour=Red, Digikey Link=https://www.digikey.com/product-detail/en/rohm-semiconductor/SML-210LTT86/511-1286-1-ND/637099, Part Number=SML-210LTT86
D6 D14 D17 D19 D26 D28 D30: library part SML-210FTT86, "Green LED Indication - Discrete 1.75V 0805 (2012 Metric)", Digikey Part Number=511-1285-1-ND, Manufacturer="ROHM Semiconductor", Colour=Green, Digikey Link=https://www.digikey.com/product-detail/en/rohm-semiconductor/SML-210FTT86/511-1285-1-ND/637098, Part Number=SML-210FTT86
D8 D10 D12 D15 D23 D29 D34: library part SML-211DTT86, "Orange LED Indication - Discrete 1.75V 0805 (2012 Metric)", Digikey Part Number=511-1291-1-ND, Manufacturer="ROHM Semiconductor", Colour=Orange, Digikey Link=https://www.digikey.com/product-detail/en/rohm-semiconductor/SML-211DTT86/511-1291-1-ND/637104, Part Number=SML-211DTT86
D22 D27: library part SML-211YTT86, "Yellow LED Indication - Discrete 1.75V 0805 (2012 Metric)", Digikey Part Number=511-1293-1-ND, Manufacturer="ROHM Semiconductor", Colour=Yellow, Digikey Link=https://www.digikey.com/product-detail/en/rohm-semiconductor/SML-211YTT86/511-1293-1-ND/637106, Part Number=SML-211YTT86
D24 D25 D31 D32: library part SML-MN2BCTT86C, "LED BLUE CLEAR 2012 SMD", Digikey Part Number=846-1207-1-ND, Manufacturer="ROHM Semiconductor", Colour=Blue, Digikey Link=https://www.digikey.com/product-detail/en/rohm-semiconductor/SMLMN2BCTT86C/846-1207-1-ND/6057239, Part Number=SML-MN2BCTT86C
F1: "PTC RESET FUSE 60V 1A 292", Digikey Part Number=507-2070-1-ND, Manufacturer="Littelfuse Inc.", Digikey Link=https://www.digikey.com/product-detail/en/bel-fuse-inc/0ZCF0100AF2A/507-2070-1-ND/6210547, Part Number=0ZCF0100AF2A
"HV BATTERY+1" "HV BATTERY-1" "HV MC+1" "HV MC-1": Digikey Part Number=WM21351-ND, Angle=90, Contact=Tin, Flange=No, Part Number=39300020, Pitch=4.2mm, Positions=2, Row Spacing=5.5mm
K1 K2 K3: "5V DPDT Relay 3A 220VDC", Digikey Part Number=PB383-ND, Manufacturer=Axicom, Digikey Link=https://www.digikey.com/products/en?mpart=V23105A5001A201&v=41, Part Number=V23105A5475A201
K4: "TACTILE SWITCHES SPST 5.10MM X 5.10MM 0.80MM SMD ROHS", Manufacturer="XKB Enerprise", Link=https://jlcpcb.com/client/index.html#/parts/componentSearch?searchTxt=usb, Part Number=TS-1187A-C-D-B
P1: Digikey Part Number=WM21353-ND, Angle=90, Contact=Tin, Flange=No, Part Number=39300060, Pitch=4.2mm, Positions=6, Row Spacing=5.5mm
P2: "USB - C (Type - C) USB 2.0 Receptacle Connector 16 Position Through Hole, Right Angle", Digikey Part Number=2073-USB4085-GF-ACT-ND, Angle=90, Digikey Link=https://www.digikey.ee/product-detail/en/gct/USB4085-GF-A/2073-USB4085-GF-ACT-ND/9859733, Part Number=USB4085-GF-A
"PDOC Sensor 1" "PDOC Sensor 2": Digikey Part Number=455-2247-ND, Angle=0, Contact=Tin, Digikey Link=https://www.digikey.com.au/en/products/detail/jst-sales-america-inc/B2B-XH-A-LF-SN/1651045, Flange=No, Part Number=B2B-XH-A(LF)(SN), Pitch=2.54mm, Positions=2, Row Spacing=2.54mm
"PRIMARY INTERFACE1": Digikey Part Number=WM21360-ND, Angle=90, Contact=Tin, Flange=No, Part Number=39300200, Pitch=4.2mm, Positions=20, Row Spacing=5.5mm
Q1 Q3: "N-Channel 100V 60A (Tc) 125W (Tc) Surface Mount DPAK", Digikey Part Number=497-8806-2-ND, Manufacturer=STMicroelectronics, Digikey Link=https://www.digikey.com/product-detail/en/stmicroelectronics/STD70N10F4/497-8806-2-ND/2035599, LatestRevisionDate=29-May-2009, LatestRevisionNote="IPC-7351 Footprint Added.", PackageDescription="4-Pin SOT-343 Package 1.3 mm Pitch, 2.1 mm Lead Span", PackageReference=SOT-343, PackageVersion=Sep-2000, Part Number=STD70N10F4, Published=24-Mar-1999, Publisher="Altium Limited"
Q2 Q4 Q5 Q6: "60V 380mA, NFET MOSTFET (Small Signal)", Digikey Part Number=2N7002KCT-ND, Manufacturer="ON Semiconductor", Digikey Link=https://www.digikey.com/product-detail/en/on-semiconductor/2N7002K/2N7002KCT-ND/2060375, LatestRevisionDate=29-May-2009, LatestRevisionNote="IPC-7351 Footprint Added.", PackageDescription="4-Pin SOT-343 Package 1.3 mm Pitch, 2.1 mm Lead Span", PackageReference=SOT-343, PackageVersion=Sep-2000, Part Number=2N7002K, Published=24-Mar-1999, Publisher="Altium Limited", Qty=30
R1 R72 R85 R86: library part RC0805FR070RL, Digikey Part Number=311-0.0CRCT-ND, Manufacturer=YAGEO, Rated Voltage=0.125W, Tolerance=0.01, Material=FR-07, Part Number=RC0805FR070RL
R2 R3 R74 R81: library part RC0805FR072KL, Digikey Part Number=311-2.00KCRCT-ND, Manufacturer=YAGEO, Rated Voltage=0.125W, Tolerance=0.01, Material=FR-07, Part Number=RC0805FR072KL
R4 R7 R8 R10 R11 R18 R24 R25 R32 R36 R37 R66 R95: library part RC0805FR071K5L, Digikey Part Number=311-1.50KCRCT-ND, Manufacturer=YAGEO, Rated Voltage=0.125W, Tolerance=0.01, Material=FR-07, Part Number=RC0805FR071K5L
R5 R12 R26 R30 R31 R34 R38 R41 R55 R56 R57 R58 R75 R87 R89 R90 R91 R92 R93 R94: library part RC0805FR07680RL, Digikey Part Number=311-680CRCT-ND, Manufacturer=YAGEO, Rated Voltage=0.125W, Tolerance=0.01, Material=FR-07, Part Number=RC0805FR07680RL
R6 R9 R14 R15 R22 R23 R28 R29 R33 R35 R40: library part RC0805FR0720KL, Digikey Part Number=311-20.0KCRCT-ND, Manufacturer=YAGEO, Rated Voltage=0.125W, Tolerance=0.01, Material=FR-07, Part Number=RC0805FR0720KL
R13 R20 R27 R39 R42: library part RC0805FR0710RL, Digikey Part Number=311-10.0CRCT-ND, Manufacturer=YAGEO, Rated Voltage=0.125W, Tolerance=0.01, Material=FR-07, Part Number=RC0805FR0710RL
R16 R17 R19 R21: library part PWR263S-35-1001J, Digikey Part Number=PWR263S-35-1001J-ND, Manufacturer="Bournes Inc", Rated Voltage=35W, Tolerance=0.05, Part Number=PWR263S-35-1001J
"R43_U_Battery_HV Sense" "R43_U_MC_HV Sense" "R44_U_Battery_HV Sense" "R44_U_MC_HV Sense" "R45_U_Battery_HV Sense" "R45_U_MC_HV Sense" "R46_U_Battery_HV Sense" "R46_U_MC_HV Sense": library part MMA02040C3303FB300, Digikey Part Number=MMA-330KACT-ND, Manufacturer="Vishay Beyschlag", Rated Voltage=0.4W, Tolerance=0.01, Part Number=MMA02040C3303FB300
"R47_U_Battery_HV Sense" "R47_U_MC_HV Sense" "R48_U_Battery_HV Sense" "R48_U_MC_HV Sense" R79 R80: library part RC0805FR075K6L, Digikey Part Number=311-5.60KCRCT-ND, Manufacturer=YAGEO, Rated Voltage=0.125W, Tolerance=0.01, Material=FR-07, Part Number=RC0805FR075K6L
"R49_U_Battery_HV Sense" "R49_U_MC_HV Sense" R77: library part 3296W-1-103LF, Digikey Part Number=3296W-103LF-ND, Manufacturer="Bournes Inc", Rated Voltage=0.5W, Tolerance=0.1, Part Number=3296W-1-103LF
"R50_U_Battery_HV Sense" "R50_U_MC_HV Sense": library part MMA02040C1002FB300, Digikey Part Number=MMA-10KACT-ND, Manufacturer="Vishay Beyschlag", Rated Voltage=0.4W, Tolerance=0.01, Part Number=MMA02040C1002FB300
"R51_U_Battery_HV Sense" "R51_U_MC_HV Sense" R82: library part RC0805FR0730KL, Digikey Part Number=311-30.0KCRCT-ND, Manufacturer=YAGEO, Rated Voltage=0.125W, Tolerance=0.01, Material=FR-07, Part Number=RC0805FR0730KL
"R52_U_Battery_HV Sense" "R52_U_MC_HV Sense" R53 R59 R64 R65 R76 R78 R83: library part RC0805FR0710KL, Digikey Part Number=311-10.0KCRCT-ND, Manufacturer=YAGEO, Rated Voltage=0.125W, Tolerance=0.01, Material=FR-07, Part Number=RC0805FR0710KL
R54 R88: library part RC0805FR07510RL, Digikey Part Number=311-510CRCT-ND, Manufacturer=YAGEO, Rated Voltage=0.125W, Tolerance=0.01, Material=FR-07, Part Number=RC0805FR07510RL
R60 R61 R62 R63: library part RC0805FR073K3L, Digikey Part Number=311-3.30KCRCT-ND, Manufacturer=YAGEO, Rated Voltage=0.125W, Tolerance=0.01, Material=FR-07, Part Number=RC0805FR073K3L
R67 R68: library part RC0805FR0720RL, Digikey Part Number=311-20.0CRCT-ND, Manufacturer=YAGEO, Rated Voltage=0.125W, Tolerance=0.01, Material=FR-07, Part Number=RC0805FR0720RL
R69: library part RC0805FR0710ML, Digikey Part Number=311-10.0MCRCT-ND, Manufacturer=YAGEO, Rated Voltage=0.125W, Tolerance=0.01, Material=FR-07, Part Number=RC0805FR0710ML
R70 R71: library part RC0805FR075K1L, Digikey Part Number=311-5.10KCRCT-ND, Manufacturer=YAGEO, Rated Voltage=0.125W, Tolerance=0.01, Material=FR-07, Part Number=RC0805FR075K1L
R73: library part RC0805FR073KL, Digikey Part Number=311-3.00KCRCT-ND, Manufacturer=YAGEO, Rated Voltage=0.125W, Tolerance=0.01, Material=FR-07, Part Number=RC0805FR073KL
R84: library part NTCS0805E3103FLT, Digikey Part Number=BC2733CT-ND, Manufacturer="Vishay Beyschlag", Rated Voltage=210mW, Tolerance=0.01, Part Number=NTCS0805E3103FLT
SERIAL1: library part "TH 2.54mm Header 1x6", Angle=0, Contact=NA, Flange=No, Part Number="TH 2.54mm Header 1x6", Pitch=2.54mm, Positions=6, Row Spacing=2.54mm
STLINK1: library part "TH 2.54mm Header 2x5", Angle=0, Contact=NA, Flange=No, Part Number="TH 2.54mm Header 2x5", Pitch=2.54mm, Positions=10, Row Spacing=2.54mm
TP1 TP2 TP3 TP4 TP5 TP6 TP7 TP8 TP9 TP10 TP11 TP12 TP13 TP14 TP15 TP16 TP17 TP18 TP19 TP20 TP21 TP22 "TP23_U_Battery_HV Sense" "TP23_U_MC_HV Sense" "TP24_U_Battery_HV Sense" "TP24_U_MC_HV Sense" "TP25_U_Battery_HV Sense" "TP25_U_MC_HV Sense" "TP26_U_Battery_HV Sense" "TP26_U_MC_HV Sense" "TP27_U_Battery_HV Sense" "TP27_U_MC_HV Sense" "TP28_U_Battery_HV Sense" "TP28_U_MC_HV Sense" TP29 TP30 TP31 TP32 TP33 TP34 TP35 TP36 TP37 TP38 TP39 TP40 TP41 TP42 TP43 TP44 TP45 TP?: library part "SMD Test Point Small", Angle=0, Contact=NA, Flange=No, Part Number="SMD Test Point Small", Pitch=0mm, Positions=1, Row Spacing=0
U1: "Isolated CAN Transceiver", Digikey Part Number=ADM3053BRWZ-ND, Manufacturer="Analogue Devices", Digikey Link=https://www.digikey.com/product-detail/en/analog-devices-inc/ADM3053BRWZ/ADM3053BRWZ-ND/2709332, Part Number=ADM3053
U2: "100µH @ 100kHz 2 Line Common Mode Choke Surface Mount 5.8 kOhms @ 10MHz 150mA DCR 2Ohm", Digikey Part Number=495-4598-1-ND, Manufacturer="EPCOS (TDK)", Rated Current=150mA, Digikey Link=https://www.digikey.com/product-detail/en/epcos-tdk/B82787C0104H002/495-4598-2-ND/3680998, Impedence="5.8 kOhms @ 10MHz", Material=Wirewound, Part Number=B82787C0104H002
U3: "Dual Line CAN Bus Protector", Digikey Part Number=NUP2105LT1GOSCT-ND, Manufacturer="ON Semiconductor", Digikey Link=https://www.digikey.com/product-detail/en/on-semiconductor/NUP2105LT1G/NUP2105LT1GOSCT-ND/1485001, Part Number=NUP2105L
U4: "CONV DC/DC 1A 5V OUT SIP VERT", Digikey Part Number=945-1395-5-ND, Manufacturer=Recom, Output Power=5W, Output Voltage=5V, Digikey Link=https://www.digikey.com.au/product-detail/en/recom-power/R-78C5.0-1.0/945-1395-5-ND/2652148, Isolation=Non-Isolated, Part Number=R-78C5.0-1.0
U5: "Linear Voltage Regulator IC 1 Output 300mA SOT-23-5", Digikey Part Number=1028-1014-1-ND, Input Voltage=5.5V-0.3V, Manufacturer=Richtek, Output Power=1W, Output Voltage=3.3V, Digikey Link=https://www.digikey.com/products/en?keywords=1028-1014-1-ND, Efficiency=0.5, Isolation=Non-Isolated, Part Number=RT9193-33GB
U6: "DC DC CONVERTER 5V 4W", Digikey Part Number=JTC0424S05-ND, Input Voltage=9V-36V, Manufacturer="XP Power", Output Power=4W, Output Voltage=5V, Digikey Link=https://www.digikey.com/products/en?keywords=%20JTC0424S05, Efficiency=0.79, Isolation=Isolated, Part Number=JTC0424S05
U7: "120µH @ 100kHz 2 Line Common Mode Choke Surface Mount 460 Ohms @ 30MHz 2.5A DCR 25mOhm", Digikey Part Number=732-1489-1-ND, Manufacturer="Wurth Electronics Inc", Rated Current=2.5A, Digikey Link=https://www.digikey.com/product-detail/en/w-rth-elektronik/744272121/732-1489-1-ND/1639501, Impedence="460 Ohms @ 30MHz", Material=Wirewound, Part Number=744272121
U8 U16: "35V 50ma Optocoupler (VF=1.2V)", Digikey Part Number=160-1893-2-ND, Manufacturer="Lite-On Inc", Digikey Link=https://www.digikey.com/product-detail/en/lite-on-inc/LTV-817S-TA1/160-1893-2-ND/388451, Part Number=LTV-817S-TA1
U9: "4A Gate Driver Magnetic Coupling 2500Vrms 2 Channel 8-SOIC", Digikey Part Number=ADUM3221ARZ-ND, Manufacturer="Analog Devices", Digikey Link=https://www.digikey.com/product-detail/en/analog-devices-inc/ADUM3221ARZ/ADUM3221ARZ-ND/2616333, Part Number=ADUM3221ARZ
U10: "Optoisolator Transistor Output 5000Vrms 4 Channel 16-SMD", Digikey Part Number=160-1371-5-ND, Manufacturer="Lite-On Inc", Digikey Link=https://www.digikey.com.au/product-detail/en/lite-on-inc/LTV-847S/160-1371-5-ND/385841, Part Number=LTV-847S-TA1
U11: "RELAY REED HV SPST 200W 3A 5V (NO)", Digikey Part Number=1835-1036-ND, Manufacturer="Comus International", Digikey Link=https://www.digikey.com.au/product-detail/en/comus-international/3350-1275-056/1835-1036-ND/7515918, Part Number=3350-1275-056
U12: "Insulation monitoring device (IMD) for unearthed DC drive systems (IT systems) in electric vehicles.", Manufacturer=Bender, Link=https://www.bender.de/en/products/insulation-monitoring/isometer_ir155-3203ir155-3204, Part Number="BENDER IMD IR155"
"U13_U_Battery_HV Sense" "U13_U_MC_HV Sense" U18: "16 Bit Analog to Digital Converter 2, 4 Input 1 Sigma-Delta 10-VSSOP", Digikey Part Number=296-38849-1-ND, Manufacturer="Texas Instruments", Digikey Link=https://www.digikey.com/product-detail/en/texas-instruments/ADS1115IDGSR/296-38849-1-ND/5142969, Part Number=ADS1115
"U14_U_Battery_HV Sense" "U14_U_MC_HV Sense" U19: "I²C Digital Isolator 2500Vrms 2 Channel 25kV/µs CMTI 20-SSOP (0.209\", 5.30mm Width)", Digikey Part Number=ADM3260ARSZ-RL7CT-ND, Manufacturer="Analog Devices", Digikey Link=https://www.digikey.com/product-detail/en/analog-devices-inc/ADM3260ARSZ-RL7/ADM3260ARSZ-RL7CT-ND/5233040, Part Number=ADM3260
U15: "ARM® Cortex®-M3 STM32F1 Microcontroller IC 32-Bit 72MHz 64KB (64K x 8) FLASH", Digikey Part Number=497-6063-ND, Manufacturer=STMicroelectronics, Digikey Link=https://www.digikey.com/product-detail/en/stmicroelectronics/STM32F103C8T6/497-6063-ND/1646338, Part Number=STM32F103C8T6
U17: "Comparator General Purpose Open Collector 14-SOIC", Digikey Part Number=296-6611-2-ND, Manufacturer="Texas Instruments", Digikey Link=https://www.digikey.com/product-detail/en/texas-instruments/LMV339MTX-NOPB/296-35446-1-ND/3739150, Part Number=LMV339IDR
X1: library part ABLS-16.000MHZ-B4-T, Digikey Part Number=535-10226-1-ND, Load Capacitance=18pF, Manufacturer="Abracon LLC", Digikey Link=https://www.digikey.com/product-detail/en/abracon-llc/ABLS-16.000MHZ-B4-T/535-10226-1-ND/2184261, ESR=40R, Part Number=ABLS-16.000MHZ-B4-T
X2: library part "FC-135 32.7680KA-A5", Digikey Part Number=SER4103TR-ND, Load Capacitance=12.5pF, Manufacturer=EPSON, Digikey Link=https://www.digikey.com/product-detail/en/epson/FC-135-32.7680KA-A5/SER4103TR-ND/5259895, ESR=70k, Part Number="FC-135 32.7680KA-A5"

## Free pads (board coordinates)
  round 0 hole 4.2 unplated: 0(22.5,14.25) 0(22.5,40) 0(22.5,90) 0(22.5,123.25) 0(95.75,40) 0(95.75,90) 0(152.5,14.25) 0(152.5,40) 0(152.5,90) 0(152.5,123.25)

## Via types
v1: diameter 0.66, hole 0.33, Top Layer to Bottom Layer, tented both sides, 911 vias